# Altium PCB R45_Driver.PcbDoc (part 1 of 2) (continued)
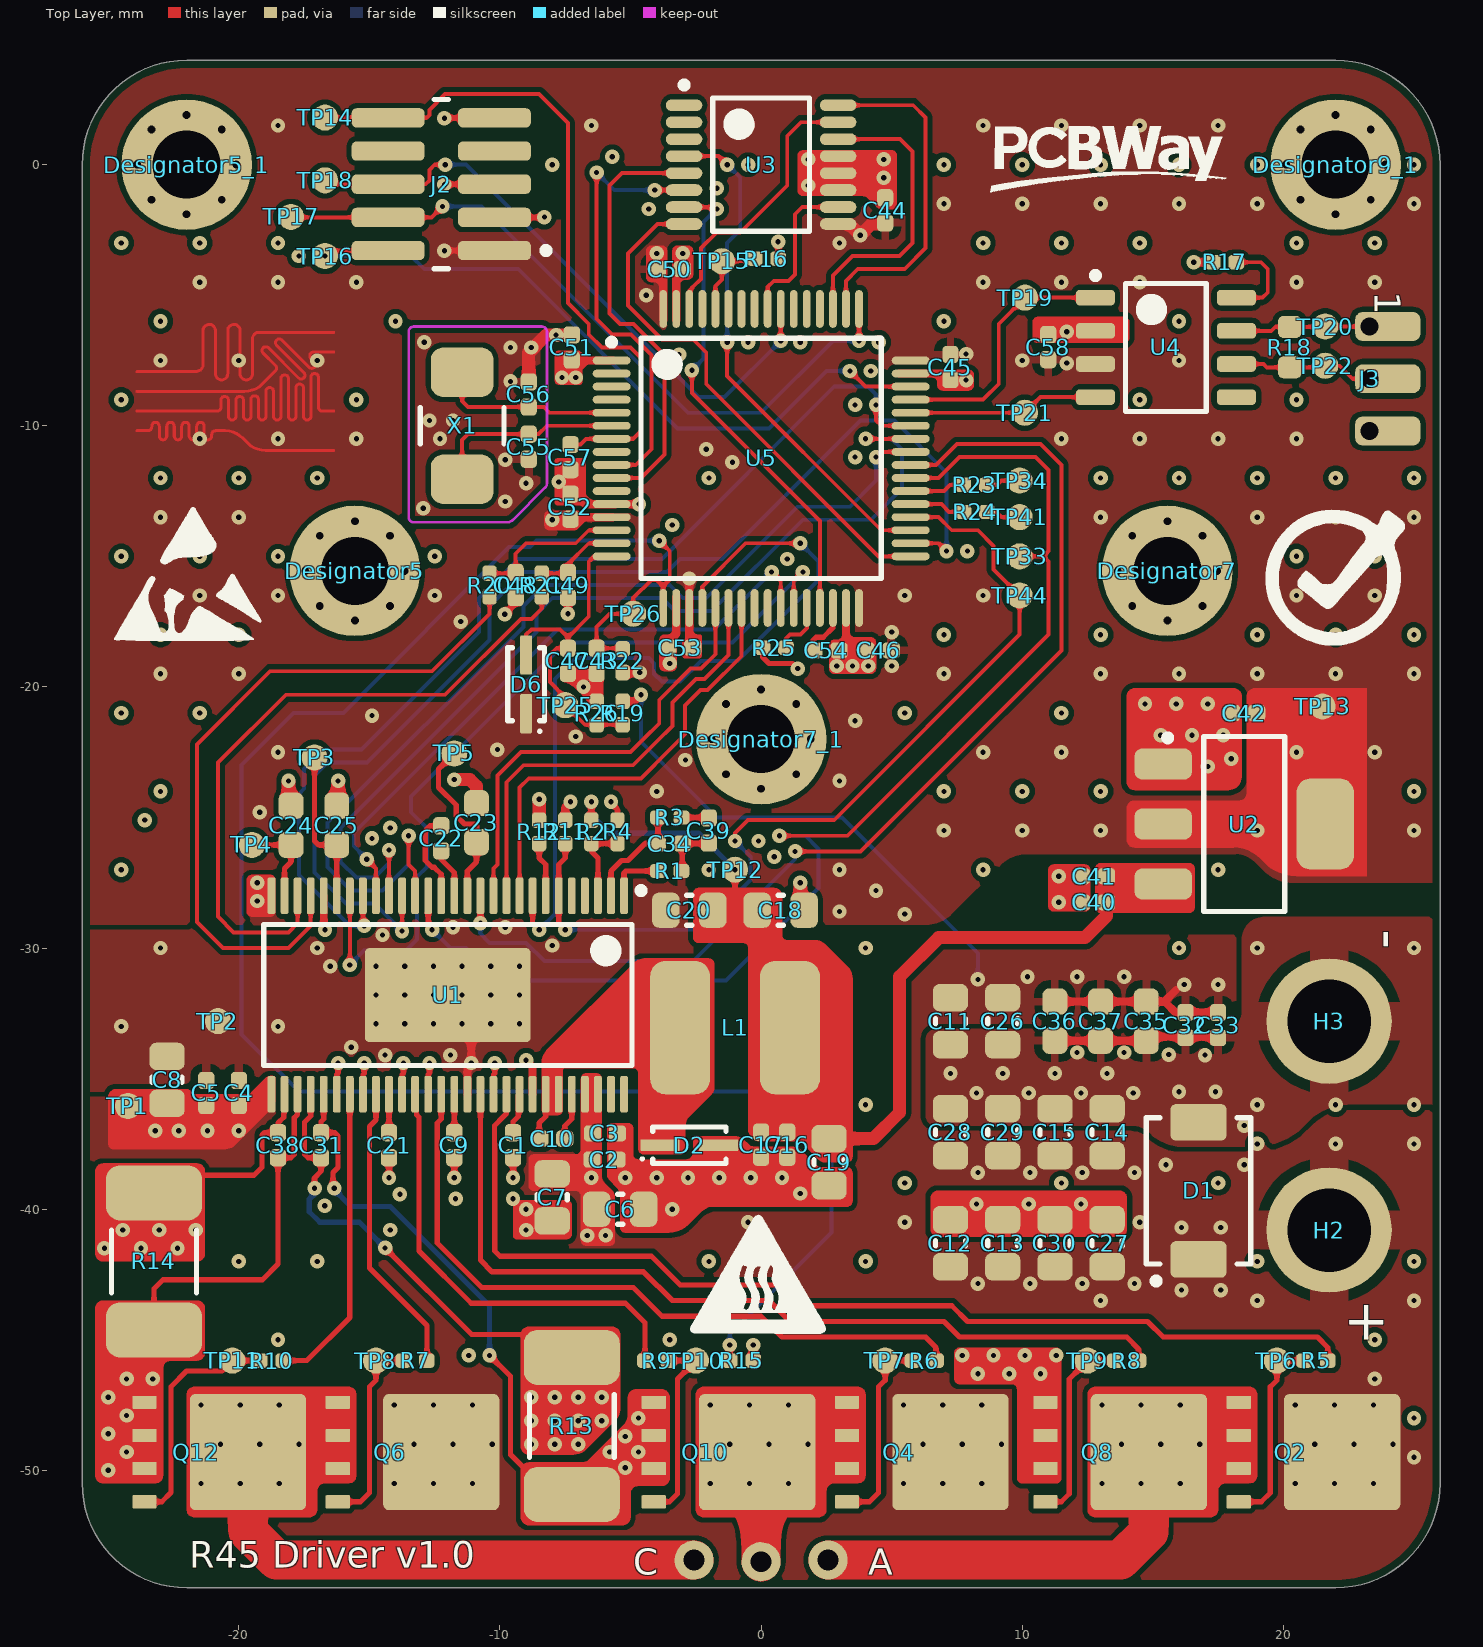
[diagram p0: Top Layer view]
## Components (designator, comment, footprint, x,y, rotation, side; value= is the part's Value field where it differs from the comment)
C1 "100n" C0402 -9.5,-37.55 r90 top
C2 "100n" C0402 -6,-38.1 r180 top
C3 "100n" C0402 -5.98,-37.1 r180 top
C4 "100n" C0402 -20,-35.55 r270 top
C5 "100n" C0402 -21.25,-35.55 r270 top
C6 "10u" C0805 -5.4,-40 r180 top
C7 "10u" C0805 -8,-39.55 r90 top
C8 "10u" C0805 -22.75,-35.05 r270 top
C9 "100n" C0402 -11.75,-37.55 r90 top
C10 "100n" C0402 -8,-37.3 r0 top
C11 "10u" C0805 7.25,-32.8 r90 top
C12 "10u" C0805 7.25,-41.3 r270 top
C13 "10u" C0805 9.25,-41.3 r270 top
C14 "10u" C0805 13.25,-37.05 r270 top
C15 "10u" C0805 11.25,-37.05 r270 top
C16 "1u" C0402 1,-37.53 r90 top
C17 "1u" C0402 0,-37.53 r90 top
C18 "22u" C0805 0.75,-28.55 r180 top
C19 "22u" C0805 2.6,-38.2 r90 top
C20 "22u" C0805 -2.75,-28.55 r0 top
C21 "100n" C0402 -14.25,-37.55 r90 top
C22 "22n" C0402 -12.25,-25.8 r270 top
C23 "2u2" C0603 -10.9,-25.2 r270 top
C24 "2u2" C0603 -18,-25.3 r270 top
C25 "2u2" C0603 -16.25,-25.3 r270 top
C26 "10u" C0805 9.25,-32.8 r90 top
C27 "10u" C0805 13.25,-41.3 r270 top
C28 "10u" C0805 7.25,-37.05 r270 top
C29 "10u" C0805 9.25,-37.05 r270 top
C30 "10u" C0805 11.25,-41.3 r270 top
C31 "1n" C0402 -16.85,-37.55 r90 top
C32 "100n" C0402 16.25,-32.95 r90 top
C33 "100n" C0402 17.5,-32.95 r90 top
C34 "10p" C0402 -3.5,-26 r180 top
C35 "1u" C0603 14.75,-32.8 r90 top
C36 "1u" C0603 11.25,-32.8 r90 top
C37 "1u" C0603 13,-32.8 r90 top
C38 "1n" C0402 -18.5,-37.55 r270 top
C39 "1n" C0402 -2,-25.5 r90 top
C40 "10u" C0402 12.75,-28.25 r0 top
C41 "100n" C0402 12.75,-27.25 r0 top
C42 "10u" C0402 18.5,-21 r0 top
C43 "10u" C0402 -6.3,-19 r90 top
C44 "1u" C0402 4.75,-1.75 r270 top
C45 "100n" C0402 7.25,-7.75 r90 top
C46 "100n" C0402 4.5,-18.6 r0 top
C47 "100n" C0402 -7.4,-19 r90 top
C48 "1n" C0402 -9.4,-16.1 r90 top
C49 "1n" C0402 -7.4,-16.1 r90 top
C50 "100n" C0402 -3.5,-4 r180 top
C51 "100n" C0402 -7.25,-7 r270 top
C52 "100n" C0402 -7.3,-13.1 r270 top
C53 "100n" C0402 -3.1,-18.5 r0 top
C54 "4u7" C0402 2.5,-18.6 r180 top
C55 "16p" C0402 -8.9,-10.8 r90 top
C56 "16p" C0402 -8.9,-8.8 r270 top
C57 "100n" C0402 -7.3,-11.2 r90 top
C58 "100n" C0402 10.996,-6.987 r270 top
D1 "43V TVS" P6SMB 16.75,-39.3 r90 top
D2 "1N5819WS" SOD323 -2.75,-37.55 r180 top
D6 "1N5819WS" SOD323 -9,-19.9 r270 top
Designator5 "Comment" M2.5_HOLE -15.556,-15.556 r45 top locked
Designator5_1 "Comment" M2.5_HOLE -22,0 r0 top locked
Designator7 "Comment" M2.5_HOLE 15.556,-15.556 r135 top locked
Designator7_1 "Comment" M2.5_HOLE 0,-22 r90 top locked
Designator9_1 "Comment" M2.5_HOLE 22,0 r180 top locked
H2 "" Hole_3.2mm_Routing 21.75,-40.8 r0 top
H3 "" Hole_3.2mm_Routing 21.75,-32.8 r0 top
J1 "R45_conn" R45_connector 0,0 r269 bottom locked
J2 "FTSH-105-01-L-DV-K-TR" FP-FTSH-105-01-L-DV-K-TR-MFG -12.25,-0.75 r90 top
J3 "3pin" 3pin_ftp 23.3,-8.2 r270 top
L1 "22u" L_SRN6045 -1,-33.05 r0 top
Q2 "BSC0702LS" PG-TDSON-8 21.152,-49.3 r270 top
Q4 "BSC0702LS" PG-TDSON-8 6.152,-49.3 r270 top
Q6 "BSC0702LS" PG-TDSON-8 -13.348,-49.3 r270 top
Q8 "BSC0702LS" PG-TDSON-8 13.75,-49.3 r270 top
Q10 "BSC0702LS" PG-TDSON-8 -1.25,-49.3 r270 top
Q12 "BSC0702LS" PG-TDSON-8 -20.75,-49.3 r270 top
R1 "200k" R0402 -3.5,-27.05 r0 top
R2 "12k" R0402 -6.5,-25.55 r90 top
R3 "100k" R0402 -3.5,-25 r0 top
R4 "2k2" R0402 -5.5,-25.55 r270 top
R5 "2R2" R0402 21.25,-45.8 r180 top
R6 "2R2" R0402 6.25,-45.8 r180 top
R7 "2R2" R0402 -13.25,-45.8 r180 top
R8 "2R2" R0402 14,-45.8 r180 top
R9 "2R2" R0402 -4,-45.8 r0 top
R10 "2R2" R0402 -18.75,-45.8 r180 top
R11 "10k" R0402 -7.5,-25.55 r90 top
R12 "20k" R0402 -8.5,-25.55 r270 top
R13 "5mR" R2512 -7.25,-48.3 r90 top
R14 "5mR" R2512 -23.25,-42 r90 top
R15 "10k" R0402 -0.75,-45.8 r180 top
R16 "10k" R0402 0.2,-3.6 r0 top
R17 "10k" R0402 17.746,-3.737 r0 top
R18 "120R" R0603 20.246,-6.987 r90 top
R19 "51k" R0402 -5.3,-21 r270 top
R20 "33R" R0402 -10.4,-16.1 r90 top
R21 "33R" R0402 -8.4,-16.1 r90 top
R22 "10k" R0402 -5.3,-19 r90 top
R23 "33R" R0402 8.19,-12.263 r0 top
R24 "33R" R0402 8.2,-13.3 r0 top
R25 "10k" R0402 0.5,-18.5 r0 top
R26 "3k3" R0402 -6.3,-21 r90 top
TP1 "Testing_Point_1mm" TestingPoint_1mm -24.25,-36.05 r90 top
TP2 "Testing_Point_1mm" TestingPoint_1mm -20.8,-32.8 r90 top
TP3 "Testing_Point_1mm" TestingPoint_1mm -17.1,-22.7 r90 top
TP4 "Testing_Point_1mm" TestingPoint_1mm -19.5,-26.05 r90 top
TP5 "Testing_Point_1mm" TestingPoint_1mm -11.75,-22.55 r90 top
TP6 "Testing_Point_1mm" TestingPoint_1mm 19.75,-45.8 r90 top
TP7 "Testing_Point_1mm" TestingPoint_1mm 4.75,-45.8 r90 top
TP8 "Testing_Point_1mm" TestingPoint_1mm -14.75,-45.8 r90 top
TP9 "Testing_Point_1mm" TestingPoint_1mm 12.5,-45.8 r90 top
TP10 "Testing_Point_1mm" TestingPoint_1mm -2.5,-45.8 r90 top
TP11 "Testing_Point_1mm" TestingPoint_1mm -20.25,-45.8 r90 top
TP12 "Testing_Point_1mm" TestingPoint_1mm -1,-27 r90 top
TP13 "Testing_Point_1mm" TestingPoint_1mm 21.5,-20.75 r90 top
TP14 "Testing_Point_1mm" TestingPoint_1mm -16.7,1.8 r90 top
TP15 "Testing_Point_1mm" TestingPoint_1mm -1.5,-3.7 r90 top
TP16 "Testing_Point_1mm" TestingPoint_1mm -16.7,-3.5 r90 top
TP17 "Testing_Point_1mm" TestingPoint_1mm -18,-2 r90 top
TP18 "Testing_Point_1mm" TestingPoint_1mm -16.7,-0.6 r90 top
TP19 "Testing_Point_1mm" TestingPoint_1mm 10.105,-5.095 r180 top
TP20 "Testing_Point_1mm" TestingPoint_1mm 21.6,-6.2 r180 top
TP21 "Testing_Point_1mm" TestingPoint_1mm 10.1,-9.5 r180 top
TP22 "Testing_Point_1mm" TestingPoint_1mm 21.6,-7.7 r180 top
TP25 "Testing_Point_1mm" TestingPoint_1mm -7.5,-20.7 r90 top
TP26 "Testing_Point_1mm" TestingPoint_1mm -4.9,-17.2 r90 top
TP33 "Testing_Point_1mm" TestingPoint_1mm 9.9,-15 r270 top
TP34 "Testing_Point_1mm" TestingPoint_1mm 9.9,-12.1 r90 top
TP41 "Testing_Point_1mm" TestingPoint_1mm 9.9,-13.5 r90 top
TP44 "Testing_Point_1mm" TestingPoint_1mm 9.9,-16.5 r270 top
U1 "DRV8301" DRV8301 -12,-31.8 r270 top
U2 "AZ1117CH-3.3TRG1" AZ1117CH-3.3TRG1 18.5,-25.25 r0 top
U3 "MT6835" TSOP65P640X120-16N 0,0 r0 top locked
U4 "SN65HVD230" SOIC8_TI 15.5,-7 r0 top
U5 "STM32F446RET6" "STM32 - LQFP64" 0,-11.25 r0 top
X1 "8 MHz" X_5032 -11.45,-10 r90 top

## Footprints (in the part's own frame and the unit in brackets; to place one, negate y for a bottom-side part, rotate by r counter-clockwise, add the part's x,y. Pads: shape width x height; smd on the part's side, far side on the other; paste and mask are expansions set on the pad)
3pin_ftp [mm]
  rrect50% 1.1x2.5 hole 0.7 copper offset 0,0.7: 1(-2,0) 2(0,0) 3(2,0)
AZ1117CH-3.3TRG1 [mm] "SOT223, 4-Leads, Body 6.51x7.00mm (avg), Pitch 2.30mm, IPC Medium Density"
  rrect50% 2.2x1.2 smd: 1(-3.1,2.3) 2(-3.1,0) 3(-3.1,-2.3)
  rrect50% 2.2x3.5 smd: 4(3.1,0)
  silkscreen extent -3.05,-3.35 1.55,3.42, body extent -3.5,-3.35 3.5,3.35, height 1.8
C0402 [mm] "Chip Capacitor, 2-Leads, Body 1.00x0.50mm, IPC Medium Density"
  rrect50% 0.66x0.62 smd mask+0.05: 1(-0.48,0) 2(0.48,0)
  body extent -0.53,-0.28 0.53,0.28, height 0.55
C0603 [mm] "Chip Capacitor, 2-Leads, Body 1.60x0.80mm, IPC Medium Density"
  rrect50% 1x0.95 smd: 1(-0.75,0) 2(0.75,0)
  body extent -0.85,-0.45 0.85,0.45, height 0.9
C0805 [mm] "Chip Capacitor, 2-Leads, Body 2.00x1.25mm, IPC Medium Density"
  rrect50% 1.05x1.35 smd: 1(-0.9,0) 2(0.9,0)
  silkscreen extent -0.1,-0.58 0.1,0.58, body extent -1.02,-0.65 1.02,0.65, height 0.6
DRV8301 [mm] "TSSOP, 56-Leads, Body 14.00x6.10mm, Pitch 0.50mm, Thermal Pad 6.35x3.61mm, IPC Medium Density"
  rrect50% 1.4x0.3 smd: 1(-3.8,6.75) 2(-3.8,6.25) 3(-3.8,5.75) 4(-3.8,5.25) 5(-3.8,4.75) 6(-3.8,4.25) 7(-3.8,3.75) 8(-3.8,3.25) 9(-3.8,2.75) 10(-3.8,2.25) 11(-3.8,1.75) 12(-3.8,1.25) 13(-3.8,0.75) 14(-3.8,0.25) 15(-3.8,-0.25) 16(-3.8,-0.75) 17(-3.8,-1.25) 18(-3.8,-1.75) 19(-3.8,-2.25) 20(-3.8,-2.75) 21(-3.8,-3.25) 22(-3.8,-3.75) 23(-3.8,-4.25) 24(-3.8,-4.75) 25(-3.8,-5.25) 26(-3.8,-5.75) 27(-3.8,-6.25) 28(-3.8,-6.75) 29(3.8,-6.75) 30(3.8,-6.25) 31(3.8,-5.75) 32(3.8,-5.25) 33(3.8,-4.75) 34(3.8,-4.25) 35(3.8,-3.75) 36(3.8,-3.25) 37(3.8,-2.75) 38(3.8,-2.25) 39(3.8,-1.75) 40(3.8,-1.25) 41(3.8,-0.75) 42(3.8,-0.25) 43(3.8,0.25) 44(3.8,0.75) 45(3.8,1.25) 46(3.8,1.75) 47(3.8,2.25) 48(3.8,2.75) 49(3.8,3.25) 50(3.8,3.75) 51(3.8,4.25) 52(3.8,4.75) 53(3.8,5.25) 54(3.8,5.75) 55(3.8,6.25) 56(3.8,6.75)
  rrect10% 3.61x6.35 smd: 57(0,0)
  silkscreen extent -4.12,-7.05 2.7,7.53, body extent -4.05,-7.05 4.05,7.05, height 1.2
FP-FTSH-105-01-L-DV-K-TR-MFG [mm]
  rrect50% 0.74x2.79 smd: 1(-2.54,-2.035) 2(-2.54,2.035) 3(-1.27,-2.035) 4(-1.27,2.035) 5(0,-2.035) 6(0,2.035) 7(1.27,-2.035) 8(1.27,2.035) 9(2.54,-2.035) 10(2.54,2.035)
  silkscreen extent -3.24,-4.14 3.24,0.27, body extent -3.34,-3.53 3.34,3.53, height 0.25
Hole_3.2mm_Routing [mm]
  round 4.8 hole 3.2 paste-2539.97: 1(0,0)
L_SRN6045 [mm]
  rrect50% 2.3x5.1 smd: 1(-2.1,0) 2(2.1,0)
  body extent -3.15,-3 3.15,3, height 4.47
M2.5_HOLE [mm]
  round 5 hole 2.6: 1(0,0)
P6SMB [mm] "Molded Diode, 2-Leads, Body 5.40x3.63mm, IPC Medium Density"
  rrect30% 1.4x2.15 smd: 1(-2.625,0) 2(2.625,0)
  silkscreen extent -3.57,-2 2.8,2, body extent -3.02,-1.97 3.02,1.97, height 2.28
PG-TDSON-8 [mm] "Power Mosfet footprint"
  rrect10% 0.5x0.925 smd: 1(-1.905,-2.863) 2(-0.635,-2.863) 3(0.635,-2.863) 4(1.905,-2.863)
  rrect10% 4.455x4.455 smd: 5(0,1.098)
  body extent -2.71,-3.22 2.71,3.22, height 1.1
R45_connector [mm]
  round 1.5 hole 0.8 paste-2539.97 mask+0.102: A(53.385,-3.499) B(53.492,-0.934) C(53.475,1.634)
R0402 [mm] "Chip Resistor, 2-Leads, Body 1.00x0.50mm, IPC Medium Density"
  rrect50% 0.6x0.55 smd mask+0.05: 1(-0.45,0) 2(0.45,0)
  body extent -0.53,-0.28 0.53,0.28, height 0.25
R0603 [mm] "Chip Resistor, 2-Leads, Body 1.60x0.80mm, IPC Medium Density"
  rrect50% 0.85x0.9 smd: 1(-0.775,0) 2(0.775,0)
  body extent -0.85,-0.45 0.85,0.45, height 0.55
R2512 [mm] "Chip Resistor, 2-Leads, Body 6.35x3.20mm, IPC Medium Density"
  rrect50% 2.11x3.68 smd: 1(-2.625,0) 2(2.625,0)
  rrect50% 0.76x1.27 smd: 3(-2.625,0) 4(2.625,0)
  silkscreen extent -1.2,-1.63 1.2,1.63, body extent -3.3,-1.73 3.3,1.73, height 0.88
SOD323 [mm] "Molded Diode, 2-Leads, Body 2.50x1.30mm, IPC Medium Density"
  rrect20% 1.5x0.45 smd: 1(-1.125,0) 2(1.125,0)
  silkscreen extent -1.4,-0.7 1.85,0.7, body extent -1.6,-0.7 1.6,0.7, height 1
SOIC8_TI [mm] "SOIC, 8-Leads, Body 4.90x3.90mm, Pitch 1.27mm, IPC Medium Density"
  rrect50% 1.5x0.6 smd: 1(-2.7,1.905) 2(-2.7,0.635) 3(-2.7,-0.635) 4(-2.7,-1.905) 5(2.7,-1.905) 6(2.7,-0.635) 7(2.7,0.635) 8(2.7,1.905)
  silkscreen extent -2.82,-2.45 1.55,2.88, body extent -3,-2.45 3,2.45, height 1.75
"STM32 - LQFP64" [mm] "TSQFP, 64-Leads, Body 10.00x10.00mm, Pitch 0.50mm, IPC Medium Density"
  oval 1.45x0.3 smd: 1(-5.725,3.75) 2(-5.725,3.25) 3(-5.725,2.75) 4(-5.725,2.25) 5(-5.725,1.75) 6(-5.725,1.25) 7(-5.725,0.75) 8(-5.725,0.25) 9(-5.725,-0.25) 10(-5.725,-0.75) 11(-5.725,-1.25) 12(-5.725,-1.75) 13(-5.725,-2.25) 14(-5.725,-2.75) 15(-5.725,-3.25) 16(-5.725,-3.75) 33(5.725,-3.75) 34(5.725,-3.25) 35(5.725,-2.75) 36(5.725,-2.25) 37(5.725,-1.75) 38(5.725,-1.25) 39(5.725,-0.75) 40(5.725,-0.25) 41(5.725,0.25) 42(5.725,0.75) 43(5.725,1.25) 44(5.725,1.75) 45(5.725,2.25) 46(5.725,2.75) 47(5.725,3.25) 48(5.725,3.75)
  oval 0.3x1.45 smd: 17(-3.75,-5.725) 18(-3.25,-5.725) 19(-2.75,-5.725) 20(-2.25,-5.725) 21(-1.75,-5.725) 22(-1.25,-5.725) 23(-0.75,-5.725) 24(-0.25,-5.725) 25(0.25,-5.725) 26(0.75,-5.725) 27(1.25,-5.725) 28(1.75,-5.725) 29(2.25,-5.725) 30(2.75,-5.725) 31(3.25,-5.725) 32(3.75,-5.725) 49(3.75,5.725) 50(3.25,5.725) 51(2.75,5.725) 52(2.25,5.725) 53(1.75,5.725) 54(1.25,5.725) 55(0.75,5.725) 56(0.25,5.725) 57(-0.25,5.725) 58(-0.75,5.725) 59(-1.25,5.725) 60(-1.75,5.725) 61(-2.25,5.725) 62(-2.75,5.725) 63(-3.25,5.725) 64(-3.75,5.725)
  silkscreen extent -5.85,-4.6 4.6,4.6, body extent -6,-6 6,6, height 1.6
TestingPoint_1mm [mm]
  round 1 smd paste-1: 1(0,0)
TSOP65P640X120-16N [mm] "TSOP, 16-Leads, Body 5.00x4.40mm, Pitch 0.65mm, IPC Medium Density"
  oval 1.4x0.45 smd: 1(-2.95,2.275) 2(-2.95,1.625) 3(-2.95,0.975) 4(-2.95,0.325) 5(-2.95,-0.325) 6(-2.95,-0.975) 7(-2.95,-1.625) 8(-2.95,-2.275) 9(2.95,-2.275) 10(2.95,-1.625) 11(2.95,-0.975) 12(2.95,-0.325) 13(2.95,0.325) 14(2.95,0.975) 15(2.95,1.625) 16(2.95,2.275)
  silkscreen extent -3.07,-2.55 1.85,3.17, body extent -3.2,-2.55 3.2,2.55, height 1.2
X_5032 [mm] "5032 - 2 pin cyrstal"
  rrect50% 1.9x2.4 smd: 1(-2.05,0) 2(2.05,0)
  silkscreen extent -0.7,-1.6 0.7,1.6, body extent -2.5,-1.6 2.5,1.6, height 1.1

## Part data
C1 C2 C3 C4 C5 C9 C10 C21 C32 C33 C41 C45 C46 C47 C50 C51 C52 C53 C57 C58: library part C_0402, "0402 cap", LCSC=C307331
C6 C7 C8 C11 C12 C13 C14 C15 C26 C27 C28 C29 C30: library part C_0805, "0805 cap", LCSC=C440198
C16 C17 C44: library part C_0402, "0402 cap", LCSC=C52923
C18 C19 C20: library part C_0805, "0805 cap", LCSC=C45783
C22: library part C_0402, "0402 cap", LCSC=C1532
C23 C24 C25: library part C_0603, "0603 cap", LCSC=C23630
C31 C38 C39 C48 C49: library part C_0402, "0402 cap", LCSC=C1523
C34: library part C_0402, "0402 cap", LCSC=C32949
C35 C36 C37: library part C_0603, "0603 cap", LCSC=C15849
C40 C42 C43: library part C_0402, "0402 cap", LCSC=C15525
C54 C55 C56: library part C_0402, "0402 cap", LCSC=?
D1: library part P6SMB43CA, LCSC=C20538993
D2 D6: "40V 600mV@1A 1A SOD-323  Schottky", LCSC=C191023
H2 H3: library part Hole_3.2mm_Routing, "Mounting, plated hole, 3.2 mm diameter, AWG14"
J2: library part CMP-2000-06293-2, "CONN HEADER SMD 10POS 1.27MM", Color=Black, Current Rating=1.75A, Max Operating Temperature=125°C, Min Operating Temperature=-55°C, Package Quantity=550, Connector Type="Male Pin", Contact Material=Bronze, Contact Mating Length=0.12inch, Contact Plating=Gold, Depth=3.43mm, Gender=Male, Housing Color=Black, Housing Material=Polymer, Lead Free="Lead Free", Length=6.35mm, Max Current Rating=1.75A, Mount="Surface Mount", Number of Contacts=10, Number of Positions=10, Number of Rows=2, Orientation=Straight, Packaging="Tape and Reel", Pitch=1.27mm, Radiation Hardening=No, REACH SVHC="No SVHC", Row Spacing=0.05inch, Termination=Solder
J3: library part 3pin_ftp
L1: library part SWPA6045S220MT, "1.8A 22uH ±20% 2.2A SMD,6x6mm Power Inductors ROHS", LCSC=C83454
Q2 Q4 Q6 Q8 Q10 Q12: "60V, 134A, 2.7mΩ N-FET", LCSC=C501503
R1: library part R_0402, "0402 62.5mW", LCSC=C25764
R2: library part R_0402, "0402 62.5mW", LCSC=C25752
R3: library part R_0402, "0402 62.5mW", LCSC=C25741
R4: library part R_0402, "0402 62.5mW", LCSC=C25879
R5 R6 R7 R8 R9 R10: library part R_0402, "0402 62.5mW", LCSC=C25158
R11 R16 R17 R22 R25: library part R_0402, "0402 62.5mW", LCSC=C25744
R12: library part R_0402, "0402 62.5mW", LCSC=C25765
R13 R14: library part PA2512FKF7T0R005E, "3W ±100ppm/℃ ±1% 5mΩ 2512 Chip Resistor", LCSC=C728323
R15: library part NCP15XH103F03RC, "10kΩ 310uA 100mW ±1% 3380K ±1% 0402 NTC Thermistors ROHS", LCSC=C77131
R18: library part R_0603, "0603 100mW"
R19: library part R_0402, "0402 62.5mW", LCSC=C25794
R20 R21 R23 R24: library part R_0402, "0402 62.5mW", LCSC=C25105
R26: library part R_0402, "0402 62.5mW", LCSC=C25890
TP1 TP2 TP3 TP4 TP5 TP6 TP7 TP8 TP9 TP10 TP11 TP12 TP13 TP14 TP15 TP16 TP17 TP18 TP19 TP20 TP21 TP22 TP25 TP26 TP33 TP34 TP41 TP44: "1mm testing point"
U1: "Brushless DC Motor Controller, 2.3A, PDSO56", Case/Package=HTSSOP, LCSC=C98969, Manufacturer="Texas Instruments", Manufacturer Part Number=DRV8301DCAR, Max Operating Temperature=125°C, Max Output current=2.3A, Max Supply Voltage=60V, Min Operating Temperature=-40°C, Min Supply Voltage=6V, Nominal Supply Voltage=8V, Package Body Material=Plastic, Package Equivalence Code=TSSOP56,.3,20, Package Shape=Rectangular, Package Style="SMALL OUTLINE, HEAT SINK/SLUG, THIN PROFILE, SHRINK PITCHMeter", Peak Reflow Temperature (Cel)=260°C, Power Supplies=8/60V, Supplier Part Number=595-DRV8301DCAR, Temperature Grade=AUTOMOTIVE, Category="Gate Drivers", Channels=1, ComponentLink1Description=https://www.ti.com:443/lit/ds/symlink/drv8301.pdf?src-supplier=IHS+Markit, ComponentLink1URL=https://www.ti.com:443/lit/ds/symlink/drv8301.pdf?src-supplier=IHS+Markit, ComponentLink2Description=https://datasheet.ciiva.com/1958/drv8301-1958834.pdf?src-supplier=Digikey, ComponentLink2URL=https://datasheet.ciiva.com/1958/drv8301-1958834.pdf?src-supplier=Digikey, ComponentLink3Description=https://datasheet.ciiva.com/15109/getdatasheetpartid-375865-15109501.pdf?src-supplier=Verical, ComponentLink3URL=https://datasheet.ciiva.com/15109/getdatasheetpartid-375865-15109501.pdf?src-supplier=Verical, ComponentLink4Description=https://datasheet.ciiva.com/1500/1882248-1500551.pdf?src-supplier=Element14, ComponentLink4URL=https://datasheet.ciiva.com/1500/1882248-1500551.pdf?src-supplier=Element14, ComponentLink5Description=https://datasheet.ciiva.com/3228/drv8301-3228991.pdf?src-supplier=Avnet, ComponentLink5URL=https://datasheet.ciiva.com/3228/drv8301-3228991.pdf?src-supplier=Avnet, ComponentLink6Description=https://datasheet.ciiva.com/1958/drv8301-1958835.pdf?src-supplier=Digikey, ComponentLink6URL=https://datasheet.ciiva.com/1958/drv8301-1958835.pdf?src-supplier=Digikey, ComponentLink7Description=https://datasheet.ciiva.com/1958/drv8301-1958836.pdf?src-supplier=Digikey, ComponentLink7URL=https://datasheet.ciiva.com/1958/drv8301-1958836.pdf?src-supplier=Digikey, Height - Seated (Max)=1.2mm, JESD-30 Code=R-PDSO-G56, JESD-609 Code=e4, Length=14mm, Moisture Sensitivity Level=3, Pins=56, Pricing="1=5.83, 10=4.13, 50=4.13, 100=3.75, 1000=3.38, 10000=3.29 (USD)", Qualification Status="Not Qualified", Reach SVHC Compliant=Yes, RoHS=Yes, RoHS Compliant=Yes, Stock=5803, Supplier=Mouser, Surface Mount=Yes, Terminal Finish=Nickel, Terminal Form="Gull Wing", Terminal Pitch=0.5mm, Terminal Position=DUAL, Throw Configuration="BRUSHLESS DC MOTOR CONTROLLER", Width=6.1mm
U2: "Fixed Positive LDO Regulator, 3.3V, 1.3V Dropout, BIPolar, PDSO3", Case/Package=SOP, Dropout Voltage1-Max=1.3V, Dropout Voltage1-Nom=1.2V, Input Voltage Absolute-Max=18V, LCSC=C92102, Manufacturer=Diodes, Max Supply Voltage=15V, Operating Temperature, TJ-Max=125°C, Operating Temperature, TJ-Min=-20°C, Output Current1-Max=800mA, Output Voltage1-Max=3.365V, Output Voltage1-Min=3.235V, Output Voltage1-Nom=3.3V, Package Body Material=Plastic, Package Shape=Rectangular, Package Style="SMALL OUTLINEMeter", Supplier Part Number 1=6047233, Voltage Tolerance-Max=1.97%, Adjustability=FIXED, Category="Voltage Regulators - Linear", Channels=1, ComponentLink1Description=https://datasheet.ciiva.com:443/pdfs/VipMasterIC/IC/DIOD/DIOD-S-A0007713706/DIOD-S-A0007713706-1.pdf?src-supplier=IHS+Markit, ComponentLink1URL=https://datasheet.ciiva.com:443/pdfs/VipMasterIC/IC/DIOD/DIOD-S-A0007713706/DIOD-S-A0007713706-1.pdf?src-supplier=IHS+Markit, ComponentLink2Description=https://datasheet.ciiva.com/29569/az1117c-29569914.pdf?src-supplier=Digi-Key, ComponentLink2URL=https://datasheet.ciiva.com/29569/az1117c-29569914.pdf?src-supplier=Digi-Key, ComponentLink3Description=https://datasheet.ciiva.com/29569/az1117c-29569915.pdf?src-supplier=Digi-Key, ComponentLink3URL=https://datasheet.ciiva.com/29569/az1117c-29569915.pdf?src-supplier=Digi-Key, ComponentLink4Description=https://datasheet.ciiva.com/29569/az1117c-29569913.pdf?src-supplier=Digi-Key, ComponentLink4URL=https://datasheet.ciiva.com/29569/az1117c-29569913.pdf?src-supplier=Digi-Key, Height - Seated (Max)=1.8mm, JESD-30 Code=R-PDSO-G3, JESD-609 Code=e3, Length=6.5mm, Line Regulation-Max=0.01%, Load Regulation-Max=0.015%, Manufacturer Part Number=AZ1117CH-3.3TRG1, Moisture Sensitivity Level=1, Number of Outputs=1, Packaging="Tape and Reel", Pins=3, Pricing 1="4000=0.0702, 16000=0.0672, 40000=0.0653, 100000=0.0634, 160000=0.0607 (USD)", Qualification Status="Not Qualified", Reach SVHC Compliant=Yes, Regulator Type="FIXED POSITIVE SINGLE OUTPUT LDO REGULATOR", RoHS=Yes, RoHS Compliant=Yes, Stock 1=820000, Supplier 1="Future Electronics", Surface Mount=Yes, Technology=BIPOLAR, Terminal Finish=Tin, Terminal Form="Gull Wing", Terminal Pitch=2.3mm, Terminal Position=DUAL, Width=3.5mm
U3: library part MT6835GT-STD
U4: library part SN65HVD230DR, "Interface Circuit, 1-Trnsvr, BICMOS, PDSO8", Case/Package=SOP, LCSC=C12084, Manufacturer="Texas Instruments", Max Operating Temperature=85°C, Max Supply Current=17uA, Min Operating Temperature=-40°C, Nominal Supply Voltage=3.3V, Package Body Material=Plastic, Package Equivalence Code=SOP8,.25, Package Shape=Rectangular, Package Style="SMALL OUTLINEMeter", Peak Reflow Temperature (Cel)=260°C, Supplier Part Number=595-SN65HVD230DR, Temperature Grade=INDUSTRIAL, Category="Interface ICs", Channels=1, ComponentLink1Description=https://www.ti.com:443/lit/ds/symlink/sn65hvd230.pdf?src-supplier=IHS+Markit, ComponentLink1URL=https://www.ti.com:443/lit/ds/symlink/sn65hvd230.pdf?src-supplier=IHS+Markit, ComponentLink2Description=https://datasheet.ciiva.com/3303/slos346k-3303008.pdf?src-supplier=Avnet, ComponentLink2URL=https://datasheet.ciiva.com/3303/slos346k-3303008.pdf?src-supplier=Avnet, ComponentLink3Description=https://datasheet.ciiva.com/28652/1695240-28652369.pdf?src-supplier=Element14, ComponentLink3URL=https://datasheet.ciiva.com/28652/1695240-28652369.pdf?src-supplier=Element14, ComponentLink4Description=https://datasheet.ciiva.com/4781/sn65hvd230-86923-4781328.pdf?src-supplier=Mouser, ComponentLink4URL=https://datasheet.ciiva.com/4781/sn65hvd230-86923-4781328.pdf?src-supplier=Mouser, ComponentLink5Description=https://datasheet.ciiva.com/27052/1495682-27052294.pdf?src-supplier=Jameco, ComponentLink5URL=https://datasheet.ciiva.com/27052/1495682-27052294.pdf?src-supplier=Jameco, ComponentLink6Description=https://datasheet.ciiva.com/22694/1887486-22694362.pdf?src-supplier=Element14, ComponentLink6URL=https://datasheet.ciiva.com/22694/1887486-22694362.pdf?src-supplier=Element14, ComponentLink7Description=https://datasheet.ciiva.com/1705/sn65hvd230-1705286.pdf?src-supplier=Digikey, ComponentLink7URL=https://datasheet.ciiva.com/1705/sn65hvd230-1705286.pdf?src-supplier=Digikey, ComponentLink8Description=https://datasheet.ciiva.com/1705/sn65hvd230-1705287.pdf?src-supplier=Digikey, ComponentLink8URL=https://datasheet.ciiva.com/1705/sn65hvd230-1705287.pdf?src-supplier=Digikey, ComponentLink9Description=https://datasheet.ciiva.com/1705/sn65hvd230-1705288.pdf?src-supplier=Digikey, ComponentLink9URL=https://datasheet.ciiva.com/1705/sn65hvd230-1705288.pdf?src-supplier=Digikey, ComponentLink10Description=https://datasheet.ciiva.com/15150/getdatasheetpartid-393721-15150028.pdf?src-supplier=Verical, ComponentLink10URL=https://datasheet.ciiva.com/15150/getdatasheetpartid-393721-15150028.pdf?src-supplier=Verical, Data Rate=1000Mbps, Height - Seated (Max)=1.75mm, JESD-30 Code=R-PDSO-G8, JESD-609 Code=e4, Length=4.9mm, Manufacturer Part Number=SN65HVD230DR, Moisture Sensitivity Level=1, Number of Transceivers=1, Pins=8, Power Supplies=3.3V, Pricing="1=1.95, 10=1.44, 50=1.31, 100=1.17, 1000=1.03, 10000=0.967 (USD)", Qualification Status="Not Qualified", Reach SVHC Compliant=Yes, RoHS=Yes, RoHS Compliant=Yes, Stock=21679, Supplier=Mouser, Surface Mount=Yes, Technology=BICMOS, Telecom IC Type="INTERFACE CIRCUIT", Terminal Finish=Nickel, Terminal Form="Gull Wing", Terminal Pitch=1.27mm, Terminal Position=DUAL, Width=3.9mm
U5: "RISC Microcontroller, 32-Bit, FLASH, CORTEX-M4F CPU, 180MHz, CMOS, PQFP64", Case/Package=QFP, Manufacturer=STMicroelectronics, Max Operating Temperature=85°C, Max Supply Current=115mA, Min Operating Temperature=-40°C, Package Body Material=Plastic, Package Equivalence Code=QFP64,.47SQ,20, Package Shape=Square, Package Style=FLATPACKMeter, Power Supplies=1.8/3.3V, Supplier Part Number 1=511-STM32F446RET6, Temperature Grade=INDUSTRIAL, Category=Microcontrollers, ComponentLink1Description=https://datasheet.ciiva.com:443/pdfs/VipMasterIC/IC/SGST/SGST-S-A0000954157/SGST-S-A0000954273-1.pdf?src-supplier=IHS+Markit, ComponentLink1URL=https://datasheet.ciiva.com:443/pdfs/VipMasterIC/IC/SGST/SGST-S-A0000954157/SGST-S-A0000954273-1.pdf?src-supplier=IHS+Markit, ComponentLink2Description=http://www.farnell.com/datasheets/2309063.pdf?src-supplier=Farnell, ComponentLink2URL=http://www.farnell.com/datasheets/2309063.pdf?src-supplier=Farnell, ComponentLink3Description=http://www.mouser.com/ds/2/389/stm32f446mc-956216.pdf?src-supplier=Mouser, ComponentLink3URL=http://www.mouser.com/ds/2/389/stm32f446mc-956216.pdf?src-supplier=Mouser, ComponentLink4Description=http://www.st.com/content/ccc/resource/technical/document/datasheet/65/cb/75/50/53/d6/48/24/DM00141306.pdf/files/DM00141306.pdf/jcr:content/translations/en.DM00141306.pdf?src-supplier=Digi-Key, ComponentLink4URL=http://www.st.com/content/ccc/resource/technical/document/datasheet/65/cb/75/50/53/d6/48/24/DM00141306.pdf/files/DM00141306.pdf/jcr:content/translations/en.DM00141306.pdf?src-supplier=Digi-Key, ComponentLink5Description=https://datasheet.octopart.com/STM32F446RET6-STMicroelectronics-datasheet-58295083.pdf?src-supplier=Future+Electronics, ComponentLink5URL=https://datasheet.octopart.com/STM32F446RET6-STMicroelectronics-datasheet-58295083.pdf?src-supplier=Future+Electronics, ComponentLink6Description=https://datasheet.octopart.com/STM32F446RET6-STMicroelectronics-datasheet-41797127.pdf?src-supplier=Element14, ComponentLink6URL=https://datasheet.octopart.com/STM32F446RET6-STMicroelectronics-datasheet-41797127.pdf?src-supplier=Element14, ComponentLink7Description=http://www.farnell.com/datasheets/2309063.pdf?src-supplier=Newark, ComponentLink7URL=http://www.farnell.com/datasheets/2309063.pdf?src-supplier=Newark, ComponentLink8Description=http://www.farnell.com/datasheets/2309063.pdf?src-supplier=Element14, ComponentLink8URL=http://www.farnell.com/datasheets/2309063.pdf?src-supplier=Element14, ComponentLink9Description=https://datasheet.octopart.com/STM32F446RET6-STMicroelectronics-datasheet-83961502.pdf?src-supplier=SHENGYU+ELECTRONICS, ComponentLink9URL=https://datasheet.octopart.com/STM32F446RET6-STMicroelectronics-datasheet-83961502.pdf?src-supplier=SHENGYU+ELECTRONICS, JESD-30 Code=S-PQFP-G64, Manufacturer Part Number=STM32F446RET6, Pins=64, Pricing 1="1=12.45, 10=11.25, 50=10.54, 100=9.5, 1000=6.72, 10000=6.72 (USD)", Qualification Status="Not Qualified", Reach SVHC Compliant=Yes, RoHS=Yes, RoHS Compliant=Yes, Speed=180RPM, Stock 1=4750, Supplier 1=Mouser, Surface Mount=Yes, Technology=CMOS, Terminal Form="Gull Wing", Terminal Pitch=0.5mm, Terminal Position=QUAD
X1: library part ECS-80-12-30-JGN-TR, "Crystals ECX-53 8.000 MHz 12 pF 5032 2 pad +/-20/30 ppm -40 +85 C 100O Max ESR", Manufacturer="ECS International", Manufacturer Part Number=ECS-80-12-30-JGN-TR, Pricing 1="1=0.5714, 10=0.5153, 50=0.5093, 100=0.4701, 500=0.4513, 1000=0.4297 (USD)", RoHS=No, Stock 1=108, Supplier 1="Arrow Electronics", Supplier Part Number 1=ECS-80-12-30-JGN-TR

## Via types
v1: diameter 0.55, hole 0.2, Top Layer to Bottom Layer, 418 vias
v2: diameter 0.55, hole 0.2, Top Layer to Bottom Layer, tented bottom, 72 vias
v3: diameter 0.7, hole 0.3, Top Layer to Bottom Layer, 40 vias

## Nets (pads, with @x,y where several pads share a name; then routed paths per layer and width w, separated by ;. In a path a pad name is that pad's centre, name@x,y a point inside that pad or via, vN(x,y) a via of type N, cw(c..) or ccw(c..) an arc to the next point about the centre after c; other vN are vias at no path point)
+3V3: C42.2 C44.2 C45.2 C46.2 C50.2 C51.2 C52.2 C53.2 C58.2 D6.2 J2.1 R11.2 R22.1 TP13.1 U1.24 U1.49 U2.2 U2.4 U3.9 U4.3 U5.1 U5.13 U5.19 U5.32 U5.48 U5.64 | length 15.6
  Top Layer w0.2: v1@-12.12,-3.29 J2.1@-10.215,-3.29
  Top Layer w0.3: U1.24@-16.75,-28 -16.75,-29.25 v1(-16.7,-29.3) ; v1(-9,-34.3) -8.75,-34.55 U1.49@-8.75,-35.6 ; R11.2@-7.5,-25.1 -7.5,-24.6 v1(-7.3,-24.4) ; R22.1@-5.3,-19.45 v1(-4.65,-19.45) ; U5.19@-2.75,-16.975 v1(-2.75,-15.85)
  Top Layer w0.45: U3.9@2.95,-2.275 3.375,-2.275 v1(3.8,-2.7)
  Top Layer w0.5: v1(3.8,-2.7) 4.225,-2.275 4.705,-2.275 C44.2@4.75,-2.23 ; U2.2@15.4,-25.25 U2.4@21.6,-25.25
  Bottom Layer w0.3: v1@-2.8,-15.8 cw(c-2.8,-15.85) v1(-2.75,-15.85)
  other v1: 5.5,-28.7 3,-28.6 4.4,-27.8 3,-27 7,-25.5 10,-25.5 13,-25.5 19,-25.5 25,-25.5 -19.2,-24.8 -4,-24 3,-23.6 -2.9,-22.8 -18.5,-22.5 8.5,-22.5 11.5,-22.5 20.5,-22.5 23.5,-22.5 -10.1,-22.4 -7.1,-21.9 3.6,-21.3 -14.9,-21.1 -23,-19.5 -20,-19.5 7,-19.5 13,-19.5 16,-19.5 19,-19.5 22,-19.5 25,-19.5 5,-19.2 5,-17.9 -11.5,-17.5 -21.5,-16.5 -18.5,-16.5 -12.5,-16.5 5.5,-16.5 8.5,-16.5 20.5,-16.5 23.5,-16.5 -8,-13.6 -23,-13.5 -20,-13.5 13,-13.5 19,-13.5 22,-13.5 25,-13.5 -1.1,-11.4 -2.1,-10.9 -21.5,-10.5 -18.5,-10.5 -15.5,-10.5 11.5,-10.5 14.5,-10.5 17.5,-10.5 20.5,-10.5 -7.625,-8.15 -7.1,-8.15 11.7,-7.6 -23,-7.5 -20,-7.5 -17,-7.5 10,-7.5 16,-7.5 7.85,-7.25 -4.4,-5 -21.5,-4.5 -18.5,-4.5 -15.5,-4.5 8.5,-4.5 11.5,-4.5 14.5,-4.5 20.5,-4.5 23.5,-4.5 -4,-3.4 -12.13,-3.3 3,-3 7,-1.5 10,-1.5 13,-1.5 16,-1.5 19,-1.5 25,-1.5 -18.5,1.5 -6.5,1.5 -0.5,1.5 8.5,1.5 11.5,1.5 14.5,1.5 17.5,1.5
+5V: C16.2 C17.2 C18.2 C19.2 C20.2 C40.2 C41.2 L1.2 R2.2 TP12.1 U2.3 | length 26.7
  Top Layer w0.2: R2.2@-6.5,-25.1 v1(-6.5,-24.4) ; -1,-28.4 v1(-1,-27)
  Top Layer w0.5: C19.2@2.6,-37.3 4.3,-37.3 5.3,-36.3 5.3,-31.1 6.8,-29.6 12.4,-29.6 13.23,-28.77 C40.2@13.23,-28.25
  Bottom Layer w0.2: v1(-6.5,-24.4) -6.5,-24.9 -5.8,-25.6 -2.4,-25.6 v1(-1,-27)
+VBUS: C2.2 C3.2 C4.2 C5.2 C6.2 C7.2 C8.2 C11.2 C12.2 C13.2 C14.2 C15.2 C26.2 C27.2 C28.2 C29.2 C30.2 C32.2 C33.2 C35.2 C36.2 C37.2 D1.1 H2.1 Q2.5 Q4.5 Q6.5 R19.1 TP1.1 U1.29 U1.53 U1.54 | length 28.4
  Top Layer w0.2: TP1.1@-24.25,-36.05 -22.85,-36.05 C8.2@-22.75,-35.95
  Top Layer w0.3: R19.1@-5.3,-20.55 -4.85,-20.55 v1(-4.6,-20.3) ; C36.2@11.25,-32.05 C37.2@13,-32.05 C35.2@14.75,-32.05 15.45,-32.05 15.9,-31.6 ; 15.5,-32.1 15.87,-32.47 C32.2@16.25,-32.47 17.43,-32.47 C33.2@17.5,-32.4
  Bottom Layer w0.15: v1(-4.6,-20.3) -4.6,-22.1 -1.7,-25 3.1,-25 8.3,-30.2 v1(8.3,-31.2)
  other v1: 25,-49.5 23.5,-46.5 13,-43.5 19,-43.5 25,-43.5 16.1,-43.1 17.6,-43.1 8.3,-42.85 10.3,-42.85 12.3,-42.85 14.3,-42.85 -6.662,-41.009 -5.954,-41.003 16.1,-40.7 17.6,-40.7 -0.5,-40.5 5.5,-40.5 14.5,-40.5 -6.5,-38.8 8.3,-38.6 10.3,-38.6 12.3,-38.6 14.3,-38.6 15.5,-38.3 18.5,-38.3 19,-37.5 22,-37.5 25,-37.5 -23.2,-37 -22.3,-37 -21.2,-37 -20,-37 16.2,-31.4 17.5,-31.4 10.2,-31.1 12.1,-31.1 13.9,-31.1
  other v2: -14.048,-50.5 -12.548,-50.5 -11.048,-50.5 5.452,-50.5 6.952,-50.5 8.452,-50.5 20.452,-50.5 21.952,-50.5 23.452,-50.5 -13.298,-49 -11.798,-49 -10.298,-49 6.202,-49 7.702,-49 9.202,-49 21.202,-49 22.702,-49 24.202,-49 -14.048,-47.5 -12.548,-47.5 -11.048,-47.5 5.452,-47.5 6.952,-47.5 8.452,-47.5 20.452,-47.5 21.952,-47.5 23.452,-47.5
\MCU_RST: C57.2 J2.10 TP14.1 U5.7 | length 26.8
  Top Layer w0.15: TP14.1@-16.7,1.8 J2.10@-14.295,1.8 ; J2.10@-14.285,1.79 J2.10@-14.295,1.8 ; C57.2@-7.3,-10.72 -6.92,-10.72 -6.7,-10.5 U5.7@-5.725,-10.5 -4.9,-10.5 -4.6,-10.2 -4.6,-7.4 -5,-7 -6.1,-7 -6.6,-6.5 -6.6,-6.1 -7.4,-5.3 -7.4,1.6 -8.5,2.7 -12.1,2.7 -12.7,2.1 -12.7,1.9 -12.8,1.8 J2.10@-14.295,1.8
B_COMP: C34.2 R3.1 U1.2 | length 4.2
  Top Layer w0.2: U1.2@-5.75,-28 -5.75,-27.05 -5.5,-26.8 -5.496,-26.8 -5.346,-26.65 -5.1,-26.65 -4.45,-26 C34.2@-3.98,-26 -3.95,-25.97 R3.1@-3.95,-25
B_VSENSE: R2.1 R4.2 U1.3 | length 3.1
  Top Layer w0.2: U1.3@-6.25,-28 -6.25,-26.55 -6.5,-26.3 R2.1@-6.5,-26 R4.2@-5.5,-26
CAN_n: J3.2 R18.1 TP22.1 U4.6 | length 5.4
  Top Layer w0.15: U4.6@18.2,-7.635 19.235,-7.635 19.362,-7.762 R18.1@20.246,-7.762 21.538,-7.762 TP22.1@21.6,-7.7 22.146,-7.7 22.646,-8.2 J3.2@23.3,-8.2
CAN_p: J3.1 R18.2 TP20.1 U4.7 | length 5.2
  Top Layer w0.15: U4.7@18.2,-6.365 19.535,-6.365 19.688,-6.212 R18.2@20.246,-6.212 21.588,-6.212 TP20.1@21.6,-6.2 J3.1@23.3,-6.2
CAN_RX: TP21.1 U4.4 U5.44 | length 7.3
  Top Layer w0.15: U5.44@5.725,-9.5 TP21.1@10.1,-9.5 10.695,-8.905 U4.4@12.8,-8.905
CAN_TX: TP19.1 U4.1 U5.45 | length 10
  Top Layer w0.15: U5.45@5.725,-9 8.5,-9 9.1,-8.4 9.1,-6.1 TP19.1@10.105,-5.095 U4.1@12.8,-5.095
ENC_A: U3.16 U5.50 | length 13.2
  Top Layer w0.15: U3.16@2.95,2.275 5.825,2.275 6.3,1.8 6.3,-3.2 5.5,-4 3.7,-4 3.25,-4.45 U5.50@3.25,-5.525
ENC_B: U3.15 U5.62 | length 10.9
  Top Layer w0.15: U5.62@-2.75,-5.525 -2.75,-4.822 -2.603,-4.675 -2.3,-4.372 -2.3,-3.2 -1.7,-2.6 -0.8,-2.6 1,-0.8 1,1.1 1.525,1.625 U3.15@2.95,1.625
ENC_CAL: U3.4 U5.35 | length 19.8
  Top Layer w0.15: U3.4@-2.95,0.325 -1.625,0.325 v1(-1.3,0) ; v1(-1.3,-6.8) -1.3,-8.1 4.6,-14 U5.35@5.725,-14
  Bottom Layer w0.15: v1(-1.3,-6.8) -1.3,-3 -0.8,-2.5 -0.8,-0.5 v1(-1.3,0)
ENC_MISO: U3.5 U5.10 | length 16.9
  Top Layer w0.15: U5.10@-5.725,-12 -4.6,-12 -3.7,-11.1 -3.7,-7.295 -4.895,-6.1 -5.4,-6.1 -5.8,-5.7 -5.8,-0.8 -5.325,-0.325 U3.5@-2.95,-0.325
ENC_MOSI: U3.6 U5.9 | length 17.3
  Top Layer w0.15: v1(-6.3,-0.3) -6.3,-5.9 -5.7,-6.5 -4.99,-6.5 -4.2,-7.29 -4.2,-10.9 -4.8,-11.5 U5.9@-5.725,-11.5 ; v1(-4.075,-0.975) U3.6@-2.95,-0.975
  Bottom Layer w0.15: v1(-6.3,-0.3) -5.625,-0.975 v1(-4.075,-0.975)
ENC_nCS: U3.8 U5.33 | length 20.1
  Top Layer w0.15: U3.8@-2.95,-2.275 -3.975,-2.275 -5.1,-3.4 -5.1,-5.4 -3.8,-6.7 -2.6,-6.7 -2.1,-7.2 -2.1,-8.4 4.5,-15 U5.33@5.725,-15
ENC_PWM: U3.10 U5.56 | length 6.2
  Top Layer w0.15: U5.56@0.25,-5.525 0.25,-4.683 0.483,-4.45 1.05,-4.45 1.3,-4.2 1.3,-3.633 1.3,-1.9 1.575,-1.625 U3.10@2.95,-1.625
ENC_SCK: U3.7 U5.29 | length 19
  Top Layer w0.15: U3.7@-2.95,-1.625 -1.775,-1.625 v1(-1.7,-1.7) ; v1(-2.65,-7.872) -2.65,-8.75 2.25,-13.65 U5.29@2.25,-16.975
  Layer 1 w0.15: v1(-2.65,-7.872) v1@-2.628,-7.872
  Bottom Layer w0.15: v1(-2.65,-7.872) -2.2,-7.422 -2.2,-2.2 v1(-1.7,-1.7)
ENC_Z: U3.14 U5.51 | length 11.4
  Top Layer w0.15: U5.51@2.75,-5.525 2.75,-4.25 3.5,-3.5 5.3,-3.5 5.8,-3 5.8,0.5 5.325,0.975 U3.14@2.95,0.975
GH_A: R5.1 U1.47 | length 40.1
  Top Layer w0.2: U1.47@-9.75,-35.6 -9.75,-36.337 -9.9,-36.487 -9.9,-36.49 -10.201,-36.791 -10.21,-36.791 -10.21,-37.475 -10.201,-37.484 -10.201,-41.599 -10,-41.8 -4.2,-41.8 -3.1,-42.9 0.6,-42.9 1.4,-43.7 7.3,-43.7 7.9,-44.3 14.8,-44.3 15.4,-44.9 21.3,-44.9 21.7,-45.3 R5.1@21.7,-45.8
GH_B: R6.1 U1.42 | length 27
  Top Layer w0.2: U1.42@-12.25,-35.6 -12.25,-36.55 -12.4,-36.7 -12.4,-40.727 -12.4,-41.3 -10.7,-43 -4.9,-43 -3.8,-44.1 0,-44.1 0.8,-44.9 6.3,-44.9 6.7,-45.3 R6.1@6.7,-45.8
GH_C: R7.1 U1.37 | length 11.2
  Top Layer w0.2: U1.37@-14.75,-35.6 -14.75,-36.585 -15,-36.835 -15,-42.25 -12.8,-44.45 R7.1@-12.8,-45.8
GL_A: R8.1 U1.45 | length 33.4
  Top Layer w0.2: U1.45@-10.75,-35.6 -10.75,-41.95 -10.3,-42.4 -4.5,-42.4 -3.4,-43.5 0.3,-43.5 1.1,-44.3 7,-44.3 7.6,-44.9 14,-44.9 14.45,-45.35 R8.1@14.45,-45.8
GL_B: R9.1 U1.40 | length 17.3
  Top Layer w0.2: U1.40@-13.25,-35.6 -13.2,-35.65 -13.2,-36.38 -13.1,-36.48 -13.1,-41.6 -11.1,-43.6 -5.2,-43.6 -4.45,-44.35 R9.1@-4.45,-45.8
GL_C: R10.1 U1.35 | length 11.8
  Top Layer w0.2: R10.1@-18.3,-45.8 -17.4,-45.8 -15.75,-44.15 U1.35@-15.75,-35.6
GND: C2.1 C3.1 C4.1 C5.1 C6.1 C7.1 C8.1 C11.1 C12.1 C13.1 C14.1 C15.1 C16.1 C17.1 C18.1 C19.1 C20.1 C23.1 C24.1 C25.1 C26.1 C27.1 C28.1 C29.1 C30.1 C32.1 C33.1 C34.1 C35.1 C36.1 C37.1 C39.1 C40.1 C41.1 C42.1 C43.1 C44.1 C45.1 C46.1 C47.1 C48.1 C49.1 C50.1 C51.1 C52.1 C53.1 C54.1 C55.1 C56.1 C57.1 C58.1 D1.2 D2.1 H3.1 J2.3 J2.5 J2.9 J3.3 Q8.1 Q8.2 Q8.3 R1.2 R4.1 R12.1 R13.2 R14.2 R15.1 R16.2 R17.1 R25.1 R26.2 TP2.1 U1.28 U1.44 U1.57 U2.1 U3.11 U3.12 U3.13 U4.2 U5.12 U5.18 U5.31 U5.47 U5.63 | length 37.7
  Top Layer w0.15: R16.2@0.65,-3.6 v1(0.65,-2.95)
  Top Layer w0.2: v1@-12.12,-0.75 J2.5@-10.215,-0.75 ; v1@-12.12,1.79 J2.9@-10.215,1.79 ; J2.3@-10.215,-2.02 v1@-8.31,-2.02 ; v1(-9.814,-17.214) -9.4,-16.8 C48.1@-9.4,-16.58 ; v1(-7.4,-17.2) C49.1@-7.4,-16.58 ; v1(-5.75,-24.4) -5.775,-24.425 -5.5,-24.7 R4.1@-5.5,-25.1 ; R1.2@-3.05,-27.05 -3.02,-27.02 C34.1@-3.02,-26 -2.02,-26 C39.1@-2,-25.98 ; R25.1@0.05,-18.5 0.05,-18.85 0.3,-19.1 1.2,-19.1 v1(1.4,-19.3)
  Top Layer w0.3: U1.57@-12,-31.8 -11.1,-32.7 v1(-11.1,-34.4) -11.25,-34.55 U1.44@-11.25,-35.6 ; U5.12@-5.725,-13 v1(-4.675,-13) ; R15.1@-0.3,-45.8 v1(-0.3,-45.2) ; C36.1@11.25,-33.55 C37.1@13,-33.55 C35.1@14.75,-33.55 ; C35.1@14.8,-33.6 C35.1@14.75,-33.55 ; v1(16.563,-3.737) R17.1@17.296,-3.737 ; C33.1@17.5,-33.4 14.9,-33.4 C35.1@14.75,-33.55
  Top Layer w0.5: v1(-18.1,-23.6) -18.1,-24.45 C24.1@-18,-24.55 ; C25.1@-16.25,-24.55 -16.2,-24.5 v1(-16.2,-23.6) ; v1(-11.75,-23.55) -11.15,-23.55 -10.9,-23.8 C23.1@-10.9,-24.45 ; C56.1@-8.9,-8.32 -8.9,-7.2 -8.22,-6.52 C51.1@-7.25,-6.52 ; R12.1@-8.5,-25.1 v1(-8.5,-24.3) ; C47.1@-7.4,-19.48 C47.1@-7.32,-19.48 ; C43.1@-6.3,-19.48 C43.1@-6.3,-19.5 ; C18.1@1.5,-28.5 v1(1.5,-27.5) ; C47.1@-7.32,-19.48 v1(-6.8,-20) -6.3,-20.5 C43.1@-6.3,-19.5 ; C47.1@-7.32,-19.48 -6.32,-19.48 C43.1@-6.3,-19.5
  Layer 1 w0.3: v1@16.5,-3.8 cw(c16.563,-3.8) v1(16.563,-3.737)
  other v1: -8.8,-49 -7.9,-49 -7,-49 -8.8,-48.1 -7.9,-48.1 -7,-48.1 -6.1,-48.1 25,-48 -8.8,-47.2 -7.9,-47.2 -7,-47.2 -6.1,-47.2 8.3,-46.3 9.5,-46.3 10.7,-46.3 -11.2,-45.6 7.7,-45.6 8.9,-45.6 10.1,-45.6 11.3,-45.6 -18.5,-45 -3.5,-45 23.5,-45 -20,-42 -17,-42 -2,-42 4,-42 19,-42 25,-42 -25.15,-41.5 -23.75,-41.5 -22.35,-41.5 -24.45,-40.8 -23.05,-40.8 -21.65,-40.8 -14.2,-40.8 -9,-40.8 -9,-40 -3.4,-40 -16.709,-39.873 8.25,-39.8 10.25,-39.8 12.25,-39.8 -11.7,-39.6 -9.5,-39.6 -13.834,-39.431 1.5,-39.4 5.5,-39 11.5,-39 17.5,-39 -5.2,-38.8 -4,-38.8 -2.8,-38.8 -1.6,-38.8 -0.4,-38.8 0.8,-38.8 18.5,-36.8 4,-36 19,-36 22,-36 25,-36 8.25,-35.55 10.25,-35.55 12.25,-35.55 14.25,-35.55 16,-35.5 17.4,-35.5 7.25,-34.8 9.25,-34.8 11.25,-34.8 13.25,-34.8 -14.4,-34.1 -11.9,-34.1 17,-34.1 15.609,-34.08 12.1,-34 13.9,-34 -15.7,-33.8 -24.5,-33 -18.5,-33 -16.5,-30.7 -23,-30 -17,-30 4,-30 16,-30 19,-30 25,-30 -8,-29.9 -14.5,-29.5 -11.8,-29.2 -9.8,-29.2 11.4,-28.25 -19.3,-28.2 -19.3,-27.5 11.4,-27.25 -24.5,-27 -2,-27 8.5,-27 17.5,-27 0.5,-26.5 -0.1,-25.9 -14.9,-25.8 -14.2,-25.4 -23.6,-25.1 -23,-24 7,-24 10,-24 13,-24 25,-24 17.1,-23.05 18,-22.75 15.3,-21.85 16.5,-21.85 17.7,-21.85 -24.5,-21 -21.5,-21 5.5,-21 11.5,-21 14.7,-20.65 15.9,-20.65 17.1,-20.65 2.9,-19.2 3.5,-19.2 4.1,-19.2 -3.5,-19.1 -23,-18 -20,-18 7,-18 13,-18 19,-18 22,-18 25,-18 1,-15.1 -24.5,-15 -21.5,-15 -18.5,-15 -12.5,-15 20.5,-15 23.5,-15 7.9,-14.8 -3.4,-13.8 -12.939,-13.162 -9.8,-12.9 -9,-12.2 -7.75,-12.15 -23,-12 -20,-12 -17,-12 -2,-12 13,-12 16,-12 19,-12 22,-12 25,-12 -9.8,-11.3 3.6,-11.2 -12.3,-10.5 -12.7,-9.8 -11.8,-9.8 3.6,-9.2 -24.5,-9 -15.5,-9 14.5,-9 20.5,-9 -9.6,-8.3 7.85,-8.25 4.2,-7.9 -3.14,-7.271 -9.6,-7 -8.8,-7 -12.9,-6.8 -0.5,-6.8 1.5,-6.8 4.5,-6.8 -7.85,-6.525 11.7,-6.4 -23,-6 -14,-6 7,-6 16,-6 -17.7,-3.5 -3,-3.4 -24.5,-3 -21.5,-3 -18.5,-3 8.5,-3 11.5,-3 14.5,-3 20.5,-3 23.5,-3 -8.3,-2.01 -4.3,-1.7 -1.7,-0.9 1.8,-0.8 -12.13,-0.76 4.7,-0.5 -8,0 -0.5,0 7,0 10,0 13,0 16,0 19,0 25,0 1.8,0.2 4.7,0.2 -5.7,0.3 -12.13,1.78
  other v2: -14.75,-32.9 -13.65,-32.9 -12.55,-32.9 -11.45,-32.9 -10.35,-32.9 -9.25,-32.9 -14.75,-31.8 -13.65,-31.8 -12.55,-31.8 -11.45,-31.8 -10.35,-31.8 -9.25,-31.8 -14.75,-30.7 -13.65,-30.7 -12.55,-30.7 -11.45,-30.7 -10.35,-30.7 -9.25,-30.7
MCU_AH: U1.17 U5.41 | length 38.7
  Top Layer w0.15: v1(-13.5,-25.7) -13.5,-26.8 -13.25,-27.05 U1.17@-13.25,-28 ; v1(4.4,-11.2) 4.6,-11 U5.41@5.725,-11
  Bottom Layer w0.15: v1(-13.5,-25.7) -13.5,-26.8 -14.5,-27.8 -15.7,-27.8 -16.6,-26.9 -16.6,-25.2 -9.1,-17.7 -9.1,-16.9 -8.3,-16.1 -7.5,-16.1 -3.5,-16.1 -3,-16.6 -2.1,-16.6 1.4,-13.1 3.4,-13.1 4.4,-12.1 v1(4.4,-11.2)
MCU_AL: U1.18 U5.34 | length 45.3
  Top Layer w0.15: v1(-13.75,-29.35) U1.18@-13.75,-28 ; U5.34@5.725,-14.5 6.8,-14.5 v1(7.1,-14.8)
  Bottom Layer w0.15: v1(-13.75,-29.35) -14.8,-28.3 -15.9,-28.3 -17.1,-27.1 -17.1,-23.4 -16.6,-22.9 -15.1,-22.9 -10.4,-18.2 -10.4,-16.9 -9.1,-15.6 -3.6,-15.6 -3.1,-15.1 -1.5,-15.1 3.8,-9.8 5.1,-9.8 7.1,-11.8 v1(7.1,-14.8)
MCU_B_I: C48.2 R20.2 U5.14 | length 5.8
  Top Layer w0.15: R20.2@-10.4,-15.65 -9.472,-15.65 ccw(c-9.472,-15.548) C48.2@-9.4,-15.62 -9.4,-14.9 -9,-14.5 -7.1,-14.5 -6.6,-14 U5.14@-5.725,-14
MCU_BH: U1.19 U5.42 | length 38.4
  Top Layer w0.15: U1.19@-14.25,-28 v1(-14.25,-26.25) ; v1(4,-10.5) U5.42@5.725,-10.5
  Bottom Layer w0.15: v1(-14.25,-26.25) -14.25,-26.75 -14.8,-27.3 -15.5,-27.3 -16.1,-26.7 -16.1,-25.4 -8.6,-17.9 -8.6,-17.2 -8,-16.6 -3.8,-16.6 -3.3,-17.1 -1.9,-17.1 1.6,-13.6 4.2,-13.6 5.4,-12.4 5.4,-10.9 5,-10.5 v1(4,-10.5)
MCU_BL: U1.20 U5.26 | length 24.4
  Top Layer w0.15: v1(-15.1,-26.6) -14.75,-26.95 U1.20@-14.75,-28 ; v1(0.4,-15.6) 0.75,-15.95 U5.26@0.75,-16.975
  Bottom Layer w0.15: v1(-15.1,-26.6) -15.6,-26.1 -15.6,-25.6 -7.8,-17.8 -1.8,-17.8 v1(0.4,-15.6)
MCU_BOOT0: R16.1 TP15.1 U5.60 | length 3.3
  Top Layer w0.15: U5.60@-1.75,-5.525 -1.75,-4.65 -1.5,-4.4 TP15.1@-1.5,-3.7 -0.35,-3.7 R16.1@-0.206,-3.556
MCU_C_I: C49.2 R21.2 U5.15 | length 3.3
  Top Layer w0.15: R21.2@-8.4,-15.65 -7.472,-15.65 ccw(c-7.472,-15.548) C49.2@-7.4,-15.62 -7.4,-15.3 -6.6,-14.5 U5.15@-5.725,-14.5
MCU_CH: U1.21 U5.43 | length 40
  Top Layer w0.15: U1.21@-15.25,-28 -15.25,-29.15 v1(-15.2,-29.15) ; v1(4.4,-9.2) 4.4,-9.8 4.6,-10 U5.43@5.725,-10
  Bottom Layer w0.15: -16.7,-22.4 -16.75,-22.4 ; v1(-15.2,-29.15) -15.75,-29.15 -17.7,-27.2 -17.7,-24.1 -17.5,-23.9 -17.5,-23.15 -16.75,-22.4 ; v1(4.4,-9.2) 4.4,-8.8 4.1,-8.5 2.8,-8.5 -3.8,-15.1 -9.3,-15.1 -10.8,-16.6 -10.8,-17.9 -15.3,-22.4 -16.75,-22.4
MCU_CL: U1.22 U5.27 | length 31.6
  Top Layer w0.15: v1(-15.75,-30.65) U1.22@-15.75,-28 ; U5.27@1.25,-16.975 1.25,-15.95 v1(1.6,-15.6)
  Bottom Layer w0.15: v1(-15.75,-30.65) -15.2,-30.1 -13.6,-30.1 -13.171,-29.671 -13.171,-27.271 -12.8,-26.9 -12.8,-25.4 -13.4,-24.8 -13.4,-24.2 -9.8,-20.6 -8.2,-19 -7.5,-18.3 -1.1,-18.3 v1(1.6,-15.6)